# Altium PCB MB1272C.PcbDoc (part 7 of 10)
Units mm, origin at the board's own origin, x right, y up, seen from the top; angles counter-clockwise.
Board outline 101 x 71 mm, 6 copper layers (Top Layer, Signal Layer 1, Signal Layer 2, Signal Layer 3, Signal Layer 4, Bottom Layer), stack 1.552 mm thick; 520 components, 478 nets, 2156 pads, 1894 vias.
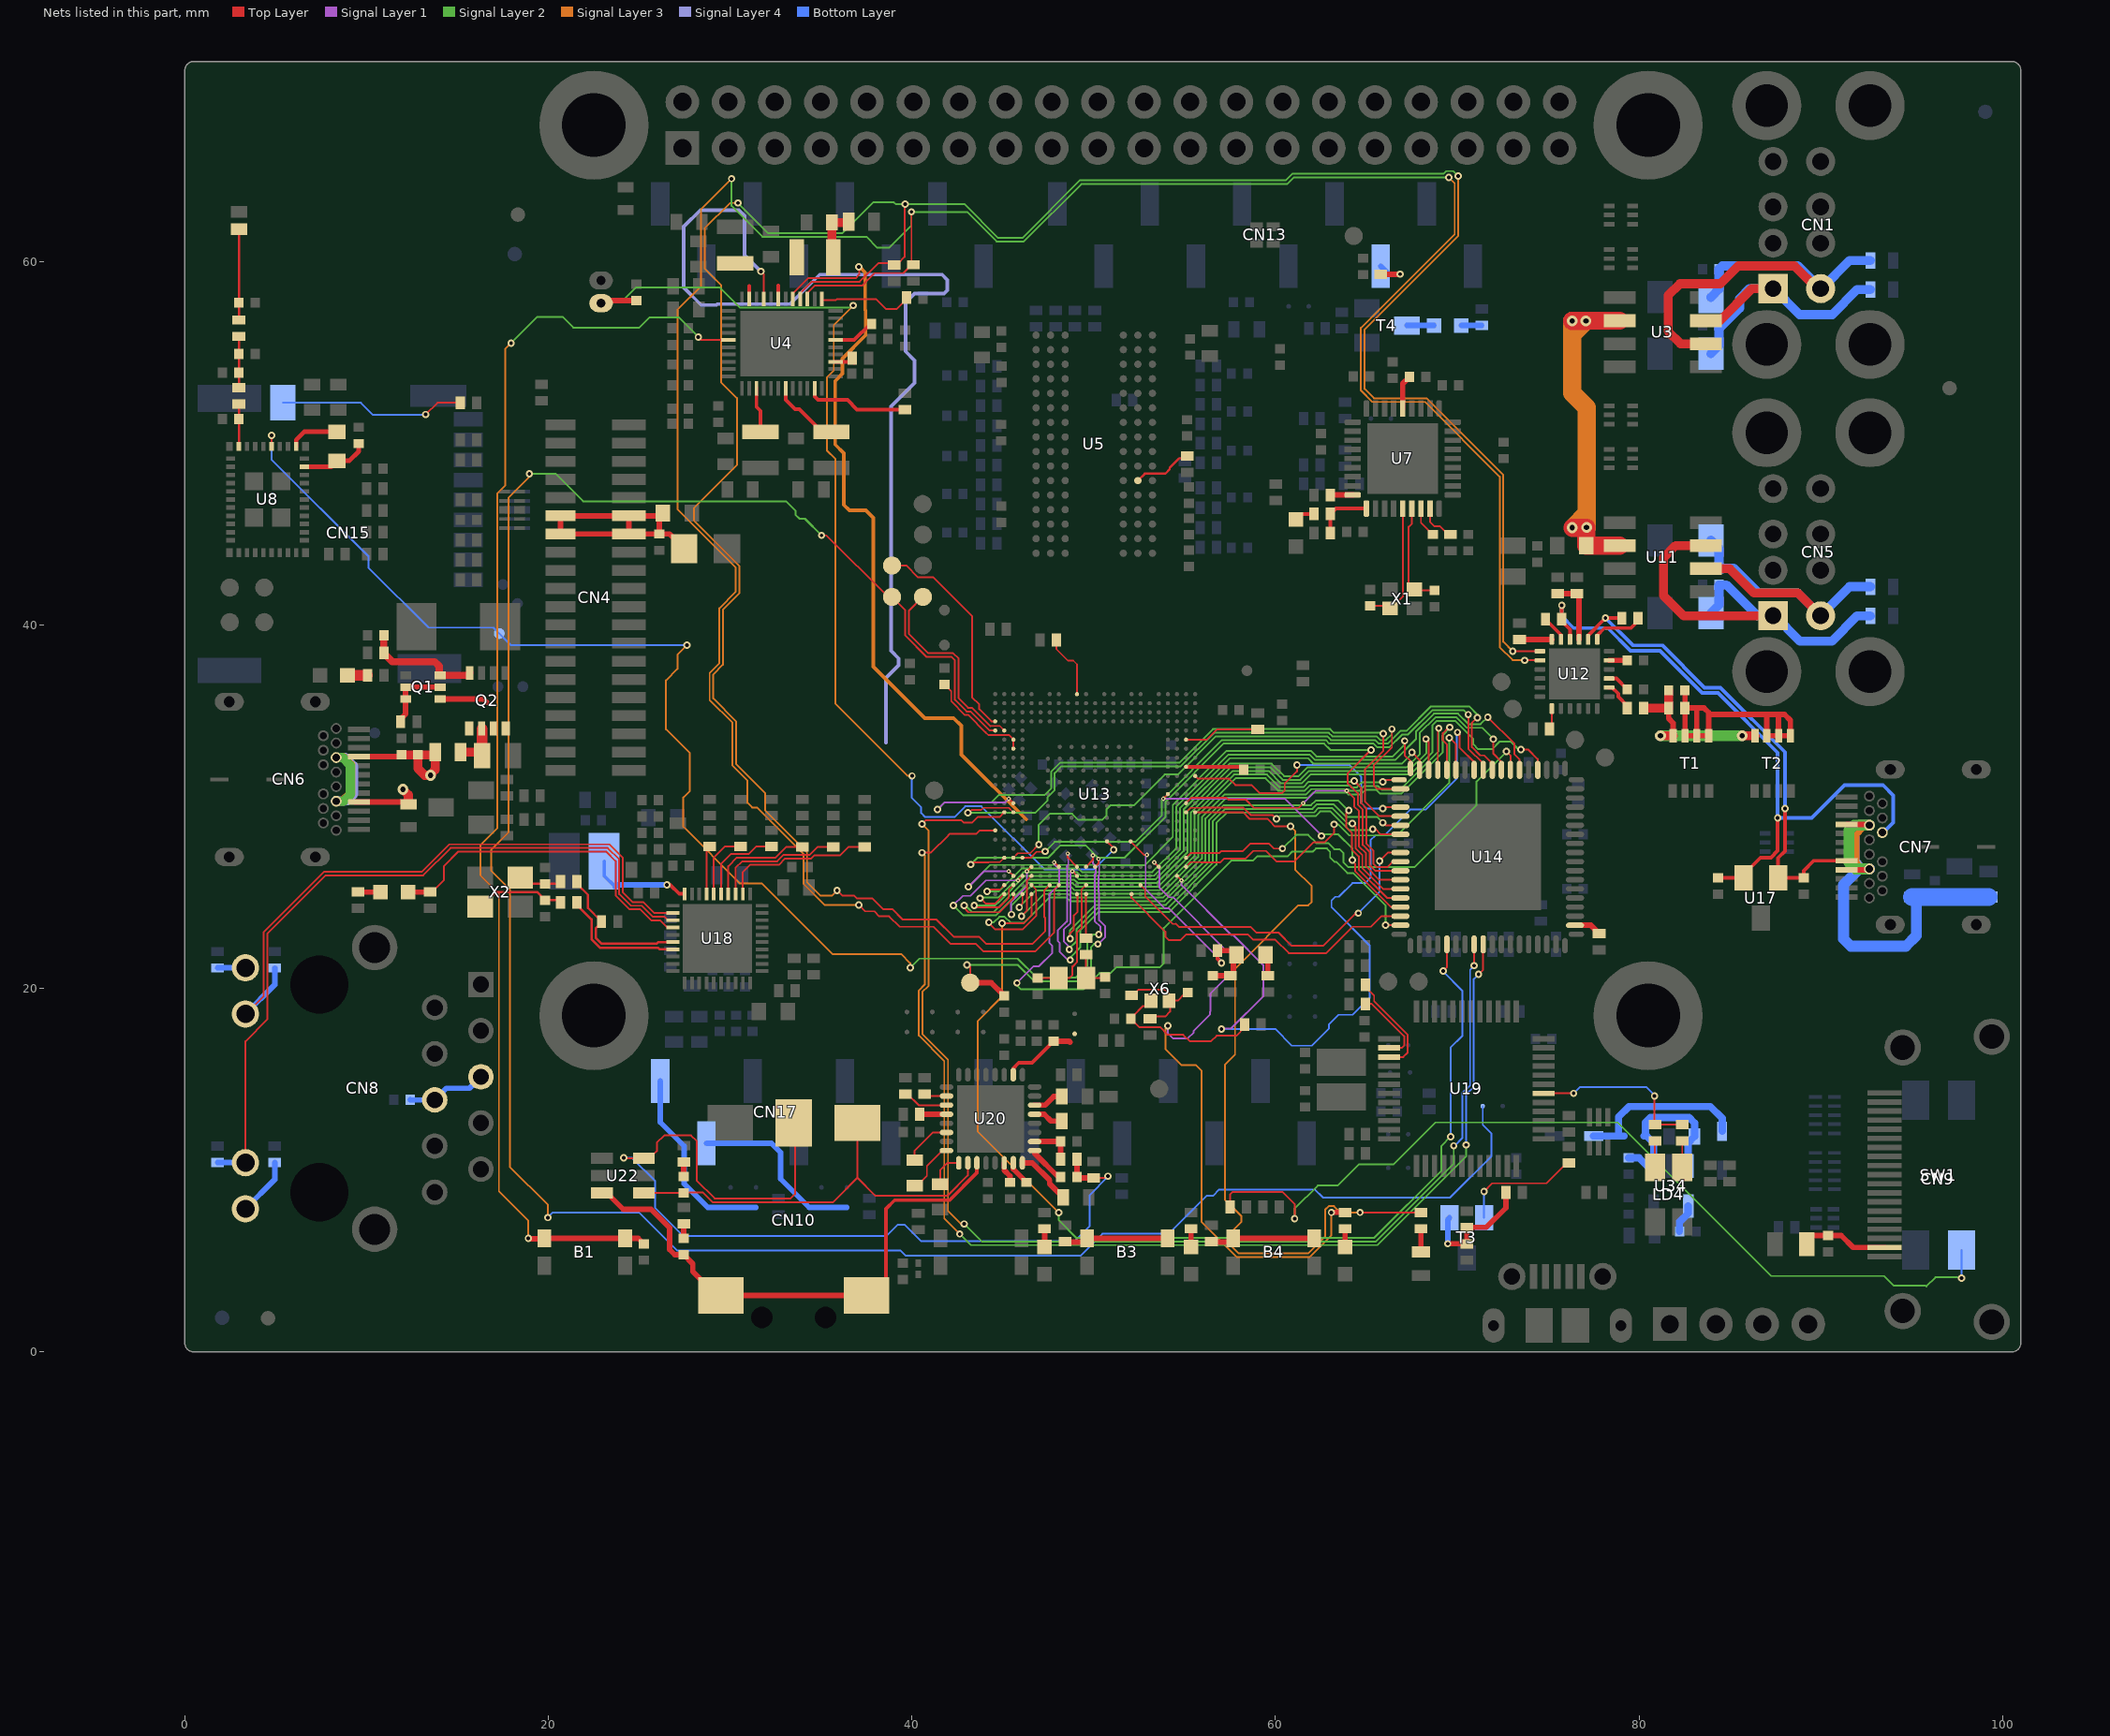
[diagram p11: the nets of this part, all layers, seen from the top]

## Via types
v1: diameter 0.4, hole 0.2, Top Layer to Bottom Layer, tented both sides, 912 vias
v2: diameter 0.25, hole 0.1, Top Layer to Signal Layer 1, tented top, 493 vias
v3: diameter 0.6, hole 0.3, Top Layer to Bottom Layer, tented both sides, 452 vias
v4: diameter 0.25, hole 0.1, Top Layer to Signal Layer 1, tented both sides, 37 vias

## Nets (pads, with @x,y where several pads share a name; then routed paths per layer and width w, separated by ;. In a path a pad name is that pad's centre, name@x,y a point inside that pad or via, vN(x,y) a via of type N, cw(c..) or ccw(c..) an arc to the next point about the centre after c; other vN are vias at no path point) (continued)
I2C4_SCL: R5.2 U4.4 U12.7 U13.G2 | length 149.7
  Top Layer w0.1: U4.4@33.85,57.925 33.85,58.237 34.488,58.875 37.125,58.875 38.15,59.9 39.26,59.9 39.6,60.24 39.6,63.125 v1(39.625,63.15) ; v1(35.88,25.39) 36.164,25.106 36.814,25.106 36.979,24.941 37.838,24.941 38.414,24.365 38.91,24.365 39.485,23.79 41.352,23.79 42.297,22.845 43.691,22.845 44.086,22.45 46.63,22.45 47.33,23.15 47.33,23.873 47.28,23.923 47.28,25.39 U13.G2@47.58,25.69 ; v1(73.05,38.55) U12.7@74.55,38.55
  Signal Layer 2 w0.1: v1(30.43,63.215) 32.095,61.55 36.167,61.55 37.867,63.25 39,63.25 39.1,63.15 v1(39.625,63.15) 42.881,63.15 44.741,61.29 46.069,61.29 49.234,64.455 60.556,64.455 60.916,64.815 69.235,64.815 69.385,64.965 69.78,64.965 v1(70.055,64.69)
  Signal Layer 3 w0.1: v1(30.43,63.215) 29.995,63.215 28.6,61.82 28.6,59.6 29.5,58.7 29.5,53.35 30.375,52.475 30.375,48.792 28.001,46.418 28.001,45.739 30.116,43.625 30.119,43.625 30.5,43.244 30.5,41.73 29.605,40.835 29.605,37.805 29.075,37.275 29.075,35.95 30.325,34.7 30.325,32.343 31.93,30.738 31.93,29.782 34.23,27.482 34.23,25.839 34.969,25.1 35.59,25.1 v1(35.88,25.39) ; v1@30.43,63.225 v1@30.45,63.225 ; v1(70.055,64.69) 70.055,61.414 64.9,56.259 64.9,52.98 65.415,52.465 68.305,52.465 72.53,48.24 72.53,39.07 v1(73.05,38.55)
I2C4_SDA: R7.2 U4.3 U12.8 U13.H2 | length 153.2
  Top Layer w0.09: 47.83,24.89 47.83,25.44 U13.H2@48.08,25.69
  Top Layer w0.1: U4.3@34.25,57.925 34.25,58.267 34.658,58.675 37.275,58.675 37.95,59.35 39.525,59.35 40.013,59.838 39.975,59.875 v1(39.975,62.725) ; v1(37.08,24.59) 37.08,24.595 37.435,24.24 37.93,24.24 38.205,23.965 38.744,23.965 39.319,23.39 41.187,23.39 42.132,22.445 43.525,22.445 43.92,22.05 46.796,22.05 47.83,23.084 47.83,24.89 ; v1(73.7,38.05) U12.8@74.55,38.05
  Signal Layer 2 w0.1: v1(30.08,64.55) 30.075,64.545 30.075,63.052 31.777,61.35 36.25,61.35 36.255,61.355 37.495,61.355 38.1,60.75 38.736,60.75 39.975,61.989 v1(39.975,62.725) 39.985,62.715 43.033,62.715 44.658,61.09 46.152,61.09 49.317,64.255 60.639,64.255 60.999,64.615 v1(69.53,64.615)
  Signal Layer 3 w0.1: v1(30.08,64.55) 28.4,62.87 28.4,58.642 27.1,57.342 27.1,46.358 30.033,43.425 30.036,43.425 30.3,43.161 30.3,41.813 29.405,40.918 29.405,37.888 28.875,37.358 28.875,35.867 30.125,34.617 30.125,32.26 30.95,31.435 30.95,30.214 31.214,29.95 31.479,29.95 34.03,27.399 34.03,25.756 35.196,24.59 v1(37.08,24.59) ; v1(69.53,64.615) 69.855,64.29 69.855,61.497 64.7,56.342 64.7,52.897 65.332,52.265 68.222,52.265 72.33,48.157 72.33,38.775 73.04,38.065 73.685,38.065 v1(73.7,38.05)
I2S2_CK: U13.A8 U14.45 | length 68.8
  Top Layer w0.1: v1(40.555,27.465) 41.044,27.465 42.005,28.426 42.005,28.44 42.08,28.515 43.556,28.515 43.731,28.69 U13.A8@44.58,28.69 ; v1(71.168,20.773) 71.425,21.03 U14.45@71.425,22.425
  Signal Layer 2 w0.1: v1(42.63,6.49) 43.245,5.875 65.6,5.875 70.48,10.755 v1(70.48,11.39)
  Signal Layer 3 w0.1: v1(40.555,27.465) 40.705,27.315 40.705,20.21 40.38,19.885 40.38,17.407 41.78,16.007 41.78,7.34 v1(42.63,6.49)
  Bottom Layer w0.1: v1(70.48,11.39) 70.48,14.157 70.905,14.582 70.905,20.51 v1(71.168,20.773)
I2S2_SDO: U13.E1 U14.41 | length 58.1
  Top Layer w0.1: v1(44.955,23.59) 46.15,23.59 46.58,24.02 U13.E1@46.58,25.19 ; v1(69.225,20.96) 69.425,21.16 U14.41@69.425,22.425
  Signal Layer 2 w0.1: v1(48.08,7.665) 48.08,7.245 49.05,6.275 65.434,6.275 69.125,9.966 69.125,11.335 v1(69.63,11.84)
  Signal Layer 3 w0.1: v1(44.955,23.59) 44.955,19.54 43.63,18.215 43.63,12.115 v1(48.08,7.665)
  Bottom Layer w0.1: v1(69.225,20.96) 69.225,20.915 70.28,19.86 70.28,17.39 69.63,16.74 v1(69.63,11.84)
I2S2_WS: U13.B10 U14.44 | length 69.9
  Top Layer w0.1: v1(40.555,29.04) 40.755,29.24 42.727,29.24 42.852,29.115 43.308,29.115 43.618,29.425 44.815,29.425 U13.B10@45.08,29.69 ; v1(70.925,21.251) U14.44@70.925,22.425
  Signal Layer 2 w0.1: v1(42.88,7.04) 43.845,6.075 65.517,6.075 69.805,10.363 v1(69.805,11.34)
  Signal Layer 3 w0.1: v1(40.555,29.04) 40.905,28.69 40.905,20.127 40.58,19.802 40.58,17.49 41.985,16.085 41.985,7.754 42.699,7.04 v1(42.88,7.04)
  Bottom Layer w0.1: v1(69.805,11.34) 69.855,11.34 70.28,11.765 70.28,14.24 70.705,14.665 70.705,21.031 v1(70.925,21.251)
JTDI: TP4.1 U13.A20 | length 12
  Top Layer w0.1: TP4.1@38.905,43.265 39.686,43.265 40.336,42.615 41.175,42.615 43.305,40.485 43.305,36.024 43.701,35.628 43.701,35.361 44.372,34.69 U13.A20@44.58,34.69
JTDO_TRACESWO: SB19.2 TP8.1 U13.A19 | length 135.4
  Top Layer w0.1: v1(35.03,44.925) 35.293,44.925 38.678,41.54 TP8.1@38.905,41.54 39.63,40.815 39.63,39.422 40.812,38.24 42.182,38.24 42.365,38.057 42.365,35.878 43.005,35.237 43.225,35.237 44.272,34.19 U13.A19@44.58,34.19
  Signal Layer 2 w0.1: v1(18.955,48.315) 20.397,48.315 21.912,46.8 33.062,46.8 33.605,46.257 33.605,46.045 33.81,45.84 34.115,45.84 v1(35.03,44.925)
  Signal Layer 3 w0.1: v1(18.955,48.315) 18.955,48.137 17.802,46.984 17.802,28.569 16.855,27.622 16.855,26.473 17.884,25.444 17.884,10.181 19.98,8.085 v1(19.98,7.39)
  Bottom Layer w0.1: v1(19.98,7.39) 19.955,7.39 20.226,7.661 23.88,7.661 ; 23.88,7.665 24.999,7.665 27.089,5.575 39.378,5.575 39.663,5.29 49.271,5.29 50.481,6.5 54.115,6.5 56.205,8.59 56.564,8.59 56.909,8.935 62.16,8.935 62.605,8.49 69.605,8.49 71.88,10.765 71.88,12.015 71.4,12.495 SB19.2@71.4,13.525
JTRST: TP9.1 U13.B19 | length 11.1
  Top Layer w0.09: 44.305,34.44 44.83,34.44 U13.B19@45.08,34.19
  Top Layer w0.1: TP9.1@40.605,41.54 39.83,40.765 39.83,39.505 40.895,38.44 42.265,38.44 42.565,38.14 42.565,35.961 43.088,35.437 43.308,35.437 44.305,34.44
LED_B: R108.1 U13.AC10 | length 44.8
  Top Layer w0.1: U13.AC10@55.58,29.69 58.205,29.69 58.56,29.335 59.56,29.335 59.705,29.19 59.705,29.182 59.972,28.915 v1@60.88,28.915 ; v1(64.65,7.675) R108.1@68,7.675
  Signal Layer 3 w0.1: v1(60.831,28.915) 61.08,28.666 61.08,26.545 61.975,25.65 61.975,24.735 61.805,24.565 61.264,24.565 57.775,21.076 57.775,16.354 57.23,15.809 57.23,8.36 58.131,7.459 58.131,7.169 57.48,6.519 57.48,5.907 57.972,5.415 61.797,5.415 62.725,6.343 62.725,7.82 62.93,8.025 63.22,8.025 63.57,7.675 v1(64.65,7.675)
LED_STLINK: R89.2 R90.2 U19.30 | length 9.6
  Top Layer w0.1: U19.30@74.75,14.225 v1(76.4,14.225) ; v1(80.85,14.075) 80.85,12.575 80.9,12.525 R89.2@80.875,12.5 R90.2@82.375,12.5
  Bottom Layer w0.1: v1(76.4,14.225) 76.75,14.575 80.4,14.575 80.85,14.125 v1(80.85,14.075)
LED_Y: R107.1 U13.W4 | length 37.4
  Top Layer w0.1: v2(53.33,26.94) U13.W4@53.58,26.69
  Top Layer w0.3: v1(63.075,7.675) R107.1@63.825,7.675
  Signal Layer 1 w0.1: v2(53.33,26.94) 53.605,26.665 53.605,25.549 54.139,25.015 54.363,25.015 57.238,22.14 57.341,22.14 57.78,21.701 57.78,21.079 56.431,19.73 56.431,19.222 56.432,19.22 56.432,18.93 56.431,18.928 56.431,18.743 56.405,18.718 56.405,18.575 55.5,17.67 55.5,17.575 55.175,17.25 54.35,17.25 54.079,17.521 v1(54.079,17.94)
  Signal Layer 3 w0.1: v1(54.079,17.94) 53.955,17.816 53.955,16.65 54.83,15.775 55.625,15.775 55.925,15.475 55.925,12.35 ; 55.93,12.35 55.93,7.174 57.889,5.215 61.88,5.215 63.075,6.41 v1(63.075,7.675)
LPO_32: TP26.1 U8.37 U13.L4 | length 74.6
  Top Layer w0.1: U8.37@4.775,49.825 v1(4.775,50.425) ; U13.L4@49.58,26.69 49.951,27.061 v2(49.951,27.325)
  Signal Layer 1 w0.1: v2(49.951,27.325) 49.951,26.899 50.104,26.746 50.104,26.326 50.055,26.277 50.055,23.71 50.375,23.39 50.375,23.06 v1(50.28,22.965)
  Signal Layer 2 w0.1: v1(39.905,21.14) 39.921,21.14 40.42,21.64 45.81,21.64 46.849,20.601 49.026,20.601 49.655,21.23 49.655,22.64 49.98,22.965 v1(50.28,22.965)
  Signal Layer 3 w0.1: v1(27.625,38.89) 27.1,38.365 27.1,37.576 26.475,36.951 26.475,34.25 27.78,32.945 27.78,30.866 27.425,30.511 27.425,28.897 30.557,25.765 31.758,25.765 35.633,21.89 39.405,21.89 39.905,21.39 v1(39.905,21.14)
  Bottom Layer w0.1: v1(4.775,50.425) 4.775,49.105 10.101,43.779 10.101,43.157 13.408,39.85 16.975,39.85 TP26.1@17.3,39.525 17.935,38.89 v1(27.625,38.89)
LTDC_B0: U13.K1 U14.32 | length 29.5
  Top Layer w0.1: v1(48.705,22.74) 48.705,23.04 48.91,23.244 48.91,24.02 49.11,24.22 49.11,25.16 U13.K1@49.08,25.19 ; v1(64.031,29.79) 63.881,29.64 63.881,28.88 64.199,28.562 64.199,27.64 64.58,27.259 64.58,26.539 66.144,24.975 U14.32@66.875,24.975
  Signal Layer 2 w0.1: v1(48.705,22.74) 48.705,23.206 50.099,24.6 53.973,24.6 56.35,26.977 56.35,29.264 57.163,30.077 61.95,30.077 62.205,30.332 63.463,30.332 64.005,29.79 v1(64.031,29.79)
LTDC_B1: U13.K4 U14.31 | length 34
  Top Layer w0.1: v2(48.575,27.411) 48.575,27.195 U13.K4@49.08,26.69 ; v1@64.227,29.062 64.399,28.89 64.399,27.723 64.78,27.341 64.78,26.622 65.927,25.475 U14.31@66.875,25.475 ; v1@64.228,29.062 v1(64.231,29.065)
  Signal Layer 1 w0.1: v2(48.575,27.411) 48.605,27.381 48.605,26.826 48.53,26.751 48.53,24.76 48.53,24.47 48.53,24.26 48.53,23.97 48.53,23.687 48.408,23.565 48.398,23.565 48.016,23.183 48.016,22.618 48.125,22.51 48.125,22.02 48.53,21.615 48.68,21.615 48.705,21.59 v1(48.705,21.565)
  Signal Layer 2 w0.1: v1(48.705,21.565) 48.705,21.695 49.255,22.245 49.255,23.19 50.265,24.2 54.139,24.2 56.75,26.811 56.75,29.098 57.329,29.677 62.115,29.677 62.371,29.932 63.111,29.932 63.978,29.065 v1(64.231,29.065)
LTDC_B2: U13.AB11 U14.30 | length 16.5
  Top Layer w0.1: U13.AB11@55.08,30.19 55.38,30.49 57.289,30.49 57.389,30.39 58.354,30.39 58.809,29.935 61.276,29.935 v4(61.531,30.19) ; v4(63.925,30.865) 64.325,30.465 64.325,30.021 64.599,29.748 64.599,27.805 64.98,27.424 64.98,26.704 65.709,25.975 U14.30@66.875,25.975
  Signal Layer 1 w0.1: v4@61.518,30.177 61.48,30.215 61.506,30.215 v4(61.531,30.19) 62.206,30.865 v4(63.925,30.865)
LTDC_B3: U13.B5 U14.29 | length 37
  Top Layer w0.09: 44.205,26.94 44.83,26.94 U13.B5@45.08,27.19
  Top Layer w0.1: v1@43.305,26.94 44.205,26.94 ; v1(65.255,33.115) 63.98,31.84 63.98,31.27 64.185,31.065 64.2,31.065 64.525,30.74 64.525,30.104 64.799,29.83 64.799,27.888 65.18,27.507 65.18,26.787 65.502,26.465 66.865,26.465 U14.29@66.875,26.475
  Signal Layer 2 w0.1: v1(43.23,26.815) 43.605,27.19 47.49,27.19 48.165,27.865 49.55,27.865 50.225,27.19 51.699,27.19 53.95,29.441 53.95,30.275 57.14,33.465 62.68,33.465 63.03,33.115 v1(65.255,33.115)
LTDC_B4: U13.E4 U14.28 | length 34.1
  Top Layer w0.1: v2(46.33,26.44) U13.E4@46.58,26.69 ; v1(64.33,31.415) 64.725,31.02 64.725,30.187 64.999,29.913 64.999,27.971 65.38,27.59 65.38,26.87 65.585,26.665 66.155,26.665 66.465,26.975 U14.28@66.875,26.975
  Signal Layer 1 w0.1: v1(45.48,24.065) 45.455,24.09 45.455,24.765 46.33,25.64 v2(46.33,26.44)
  Signal Layer 2 w0.1: v1(45.48,24.065) 45.48,24.574 46.301,25.394 ; 46.305,25.39 46.505,25.59 48.758,25.59 48.949,25.4 53.642,25.4 55.55,27.308 55.55,29.595 57.72,31.765 59.537,31.765 60.225,31.077 61.525,31.077 61.813,31.365 64.355,31.365 64.355,31.39 v1(64.33,31.415)
LTDC_B5: U13.U2 U14.27 | length 19
  Top Layer w0.09: U13.U2@52.58,25.69 52.83,25.44 52.83,25.075 54.355,23.55 54.525,23.55
  Top Layer w0.1: 54.525,23.55 54.7,23.375 58.644,23.375 58.94,23.079 60.157,23.079 60.896,22.34 62.614,22.34 64.414,24.14 v1(64.555,24.14) ; v1(65.73,27.015) 66.19,27.475 U14.27@66.875,27.475
  Bottom Layer w0.1: v1(64.555,24.14) 65.73,25.315 v1(65.73,27.015)
LTDC_B6: U13.AB10 U14.25 | length 12.9
  Top Layer w0.09: U13.AB10@55.08,29.69 55.33,29.94 56.005,29.94
  Top Layer w0.1: 56.005,29.94 58.238,29.94 58.643,29.535 59.847,29.535 v1(60.055,29.327) ; v1(65.349,28.765) 65.505,28.765 65.795,28.475 U14.25@66.875,28.475
  Signal Layer 2 w0.1: v1(60.055,29.327) 60.067,29.315 60.229,29.477 62.198,29.477 62.453,29.732 63.028,29.732 64.045,28.715 65.299,28.715 v1(65.349,28.765) v1@65.374,28.79
LTDC_B7: U13.K3 U14.24 | length 28.8
  Top Layer w0.1: v2(48.825,26.445) U13.K3@49.08,26.19 ; v1@65.905,29.115 66.045,28.975 U14.24@66.875,28.975
  Signal Layer 1 w0.1: v1(48.655,22.14) 48.655,22.295 48.355,22.595 48.355,23.229 48.733,23.607 48.73,23.61 48.73,25.25 48.73,26.35 v2(48.825,26.445)
  Signal Layer 2 w0.1: v1(48.655,22.14) 48.655,22.195 49.055,22.595 49.055,23.273 50.182,24.4 54.056,24.4 56.55,26.894 56.55,29.181 57.246,29.877 62.033,29.877 62.288,30.132 63.194,30.132 63.886,29.44 65.581,29.44 v1(65.906,29.115)
LTDC_CLK: U13.AC14 U14.22 | length 14.6
  Top Layer w0.1: U13.AC14@55.58,31.69 55.73,31.54 57.442,31.54 57.792,31.19 58.685,31.19 59.14,30.735 60.355,30.735 60.505,30.885 60.505,31.265 61.18,31.94 v1(61.18,32.29) ; v1(65.905,29.89) 65.99,29.975 U14.22@66.875,29.975
  Bottom Layer w0.1: v1(61.18,32.29) 64.08,32.29 64.725,31.645 64.725,30.187 65.022,29.89 v1(65.905,29.89)
LTDC_DE: U13.Y12 U14.33 | length 16.6
  Top Layer w0.1: v2(53.83,30.44) U13.Y12@54.08,30.69 ; v1(64.23,27.065) 64.205,27.04 64.38,26.865 64.38,26.456 66.361,24.475 U14.33@66.875,24.475
  Signal Layer 1 w0.1: v2(53.83,30.44) 60.5,30.44 62.53,28.41 v1(62.53,28.39)
  Signal Layer 2 w0.1: v1(62.53,28.39) 62.619,28.479 63.433,28.479 64.23,27.682 v1(64.23,27.065)
LTDC_G0: U13.C11 U14.23 | length 38.1
  Top Layer w0.1: v2(45.33,30.44) U13.C11@45.58,30.19 ; v1(65.93,34.015) 65.93,33.073 64.925,32.068 64.925,30.27 65.72,29.475 U14.23@66.875,29.475
  Signal Layer 1 w0.1: v1(41.405,29.84) 41.805,30.24 45.13,30.24 v2(45.33,30.44)
  Signal Layer 2 w0.1: v1(41.405,29.84) 41.805,30.24 44.39,30.24 44.8,30.65 47.312,30.65 47.655,30.993 47.655,31.929 48.141,32.415 54.705,32.415 56.555,34.265 63.013,34.265 63.213,34.065 65.88,34.065 v1(65.93,34.015) v1@66.005,33.94
LTDC_G1: U13.C10 U14.20 | length 34.2
  Top Layer w0.09: v1(43.08,29.665) 43.13,29.665 43.285,29.82 43.819,29.82 43.939,29.94 45.33,29.94 U13.C10@45.58,29.69
  Top Layer w0.1: v1(66.405,34.265) 66.405,33.265 65.408,32.268 65.408,31.168 65.6,30.975 U14.20@66.875,30.975
  Signal Layer 2 w0.1: v1(43.08,29.665) 46.79,29.665 47.455,30.33 47.455,30.51 47.855,30.91 47.855,31.843 48.227,32.215 54.788,32.215 56.638,34.065 62.93,34.065 63.13,33.865 65.566,33.865 65.766,33.665 66.08,33.665 66.405,33.99 v1(66.405,34.265)
LTDC_G2: U13.D1 U14.19 | length 26.7
  Top Layer w0.1: v1(45.905,24.465) 45.905,24.515 46.08,24.69 U13.D1@46.08,25.19 ; v1(65.905,31.365) 66.015,31.475 U14.19@66.8,31.475
  Signal Layer 2 w0.1: v1(45.905,24.465) 45.93,24.49 46.83,25.39 48.676,25.39 48.866,25.2 53.725,25.2 55.75,27.225 55.75,29.512 57.803,31.565 59.454,31.565 60.142,30.877 61.608,30.877 61.896,31.165 64.085,31.165 64.185,31.065 64.475,31.065 64.75,31.34 65.88,31.34 v1(65.905,31.365)
LTDC_G3: U13.C3 U14.18 | length 33.3
  Top Layer w0.1: v2(45.33,26.44) U13.C3@45.58,26.19 ; v1(67.105,33.615) 67.105,32.827 67.425,32.507 U14.18@67.425,32.1
  Signal Layer 1 w0.1: v1(43.105,25.59) 43.955,26.44 v2(45.33,26.44)
  Signal Layer 2 w0.1: v1(43.105,25.59) 44.305,26.79 50.774,26.79 50.789,26.775 52.8,26.775 54.35,28.325 54.35,30.092 57.323,33.065 61.955,33.065 62.255,32.765 64.355,32.765 66.455,32.765 67.105,33.415 v1(67.105,33.615)
LTDC_G4: U13.B1 U14.17 | length 31.7
  Top Layer w0.1: v1(43.755,24.965) 43.78,24.965 44.08,24.665 44.555,24.665 U13.B1@45.08,25.19 ; v1(67.506,32.99) 67.506,32.989 67.925,32.57 U14.17@67.925,32.025
  Signal Layer 2 w0.1: v1(43.755,24.965) 43.78,24.99 44.73,24.99 46.13,26.39 47.314,26.39 49.09,26.39 49.28,26.2 53.31,26.2 54.75,27.64 54.75,29.926 57.489,32.665 61.789,32.665 62.089,32.365 66.955,32.365 67.543,32.953 v1(67.506,32.99)
LTDC_G5: U13.C1 U14.16 | length 37.9
  Top Layer w0.1: v1(42.88,24.565) 42.88,24.415 43.105,24.19 44.813,24.19 45.58,24.957 U13.C1@45.58,25.19 ; U14.16@68.425,32.025 68.425,33.578 v1(68.28,33.722) ; v1(68.28,33.722) 68.173,33.615 68.173,33.83 v1(68.28,33.722)
  Signal Layer 2 w0.1: v1(42.88,24.565) 42.88,24.615 42.885,24.615 43.285,24.215 44.519,24.215 44.894,24.59 ; 44.896,24.59 46.296,25.99 47.149,25.99 48.924,25.99 49.114,25.8 53.476,25.8 55.15,27.474 55.15,29.761 57.554,32.165 59.702,32.165 60.391,31.477 61.359,31.477 61.847,31.965 67.305,31.965 68.298,32.958 68.298,33.722 v1(68.28,33.722)
LTDC_G6: U13.E3 U14.15 | length 34.5
  Top Layer w0.09: v1(46.03,23.965) 46.03,23.99 46.33,24.29 46.33,25.94 U13.E3@46.58,26.19 ; U14.15@68.925,32.025 68.925,34.26 v1(68.98,34.315)
  Signal Layer 2 w0.09: v1(46.03,23.965) 47.26,25.195 48.593,25.195
  Signal Layer 2 w0.1: 48.593,25.19 48.783,25 53.807,25 55.95,27.143 55.95,29.429 57.197,30.677 61.69,30.677 61.979,30.965 64.002,30.965 64.102,30.865 64.597,30.865 64.857,31.125 65.644,31.125 65.854,30.915 66.847,30.915 68.98,33.048 v1(68.98,34.315)
LTDC_G7: U13.E2 U14.14 | length 39.9
  Top Layer w0.09: U13.E2@46.58,25.69 46.83,25.44 46.83,25.04
  Top Layer w0.1: v1(44.23,23.64) 44.23,23.59 44.58,23.24 46.083,23.24 46.83,23.987 46.83,25.04 ; U14.14@69.425,32.025 69.425,33.425 69.205,33.645 69.205,34.04 69.53,34.365 v1(69.581,34.365)
  Signal Layer 2 w0.1: v1(44.23,23.64) 44.51,23.64 44.81,23.94 45.1,23.94 45.425,23.615 46.175,23.615 47.56,25 48.5,25 48.7,24.8 50.7,24.8 53.89,24.8 56.15,27.06 56.15,29.347 57.28,30.477 61.773,30.477 62.061,30.765 63.919,30.765 64.019,30.665 64.68,30.665 64.94,30.925 65.561,30.925 65.771,30.715 66.93,30.715 69.205,32.99 69.205,33.935 69.581,34.311 v1(69.581,34.365)
LTDC_HSYNC: U13.T1 U14.34 | length 17.5
  Top Layer w0.1: U13.T1@52.08,25.19 52.08,24.984 53.947,23.117 53.947,22.853 54.15,22.65 54.763,22.65 55.088,22.975 58.478,22.975 58.774,22.679 59.991,22.679 60.73,21.94 62.79,21.94 64.24,23.39 65.25,23.39 65.835,23.975 U14.34@66.875,23.975
LTDC_R0: U13.AB4 U14.13 | length 22.1
  Top Layer w0.09: U13.AB4@55.08,26.69 55.33,26.94 55.905,26.94 ; v1(69.555,33.79) 69.555,33.815 69.925,33.445 U14.13@69.925,32.025
  Top Layer w0.1: 55.905,26.94 56.97,26.94 57.17,27.14 58.364,27.14 58.789,27.565 59.471,27.565 60.057,26.979 61.02,26.979 62.076,28.034 62.705,28.034 63.219,28.548 v1(63.219,29.029)
  Signal Layer 2 w0.1: v1(63.219,29.029) 63.205,29.015 63.463,29.015 64.063,28.415 66.676,28.415 69.555,31.294 v1(69.555,33.79)
LTDC_R1: U13.AA3 U14.11 | length 43.5
  Top Layer w0.1: U13.AA3@54.58,26.19 v2(54.83,25.94) ; v1(70.011,34.084) 70.13,33.965 70.13,33.24 70.925,32.445 U14.11@70.925,32.025
  Signal Layer 1 w0.1: v2(54.83,25.94) 54.83,25.68 57.57,22.94 57.672,22.94 59.33,21.282 59.33,19.564 57.556,17.79 57.03,17.79 v1(57.03,17.765)
  Bottom Layer w0.1: v1(57.03,17.765) 59.985,17.765 60.9,16.85 61.987,16.85 62.95,17.813 62.95,18.03 63.47,18.55 64.25,18.55 65.18,19.48 65.18,22.365 63.08,24.465 63.08,24.835 63.285,25.04 63.48,25.04 64.23,25.79 64.93,25.79 65.23,26.09 65.23,28.151 65.494,28.415 65.98,28.415 67.405,29.84 68.255,29.84 69.975,31.56 69.975,34.049 v1(70.011,34.084)
LTDC_R2: U13.D5 U14.10 | length 32.2
  Top Layer w0.1: U13.D5@46.08,27.19 46.531,27.19 46.853,27.512 47.302,27.512 v1(47.33,27.54) ; v1(70.605,35.065) 70.605,33.19 71.425,32.37 U14.10@71.425,32.025
  Signal Layer 2 w0.1: v1(47.33,27.54) 47.855,28.065 52.291,28.065 53.75,29.524 53.75,30.358 57.057,33.665 62.764,33.665 62.964,33.465 65.4,33.465 65.6,33.265 66.26,33.265 66.96,33.965 67.286,33.965 68.637,35.315 70.355,35.315 v1(70.605,35.065)
LTDC_R3: U13.C5 U14.9 | length 34.4
  Top Layer w0.09: U13.C5@45.58,27.19 45.83,27.44 46.505,27.44 46.955,27.89 46.98,27.865 v1(46.98,27.915)
  Top Layer w0.1: v1(71.105,34.89) 71.08,34.89 70.805,34.615 70.805,33.273 71.259,32.819 71.49,32.819 71.925,32.384 U14.9@71.925,32.025
  Signal Layer 2 w0.1: v1(46.98,27.915) 46.98,29.005 47.579,29.604 48.821,29.604 49.15,29.275 50.46,29.275 50.705,29.52 50.705,29.86 50.91,30.065 52.2,30.065 53.907,31.772 54.628,31.772 56.721,33.865 62.847,33.865 63.047,33.665 65.483,33.665 65.683,33.465 66.177,33.465 66.877,34.165 67.204,34.165 68.554,35.515 70.65,35.515 71.105,35.06 v1(71.105,34.89)
LTDC_R4: U13.C2 U14.8 | length 40.9
  Top Layer w0.09: 45.33,24.99 45.33,25.44 U13.C2@45.58,25.69
  Top Layer w0.1: v1@43.48,24.465 44.805,24.465 45.33,24.99 ; v1(71.98,33.715) 71.98,32.915 72.425,32.47 U14.8@72.425,32.025
  Signal Layer 2 w0.1: v1(43.43,24.565) 44.58,24.565 44.805,24.79 44.813,24.79 46.213,26.19 47.232,26.19 49.007,26.19 49.197,26 53.393,26 54.95,27.557 54.95,29.844 57.471,32.365 59.785,32.365 60.473,31.677 61.276,31.677 61.764,32.165 67.222,32.165 67.93,32.873 67.93,34.043 68.803,34.915 69.957,34.915 70.533,34.34 71.38,34.34 72.005,33.715 v1(71.98,33.715)
LTDC_R5: U13.AB5 U14.7 | length 23.9